# KiCad board coils_12_35_10_2_layer.kicad_pcb (continued)
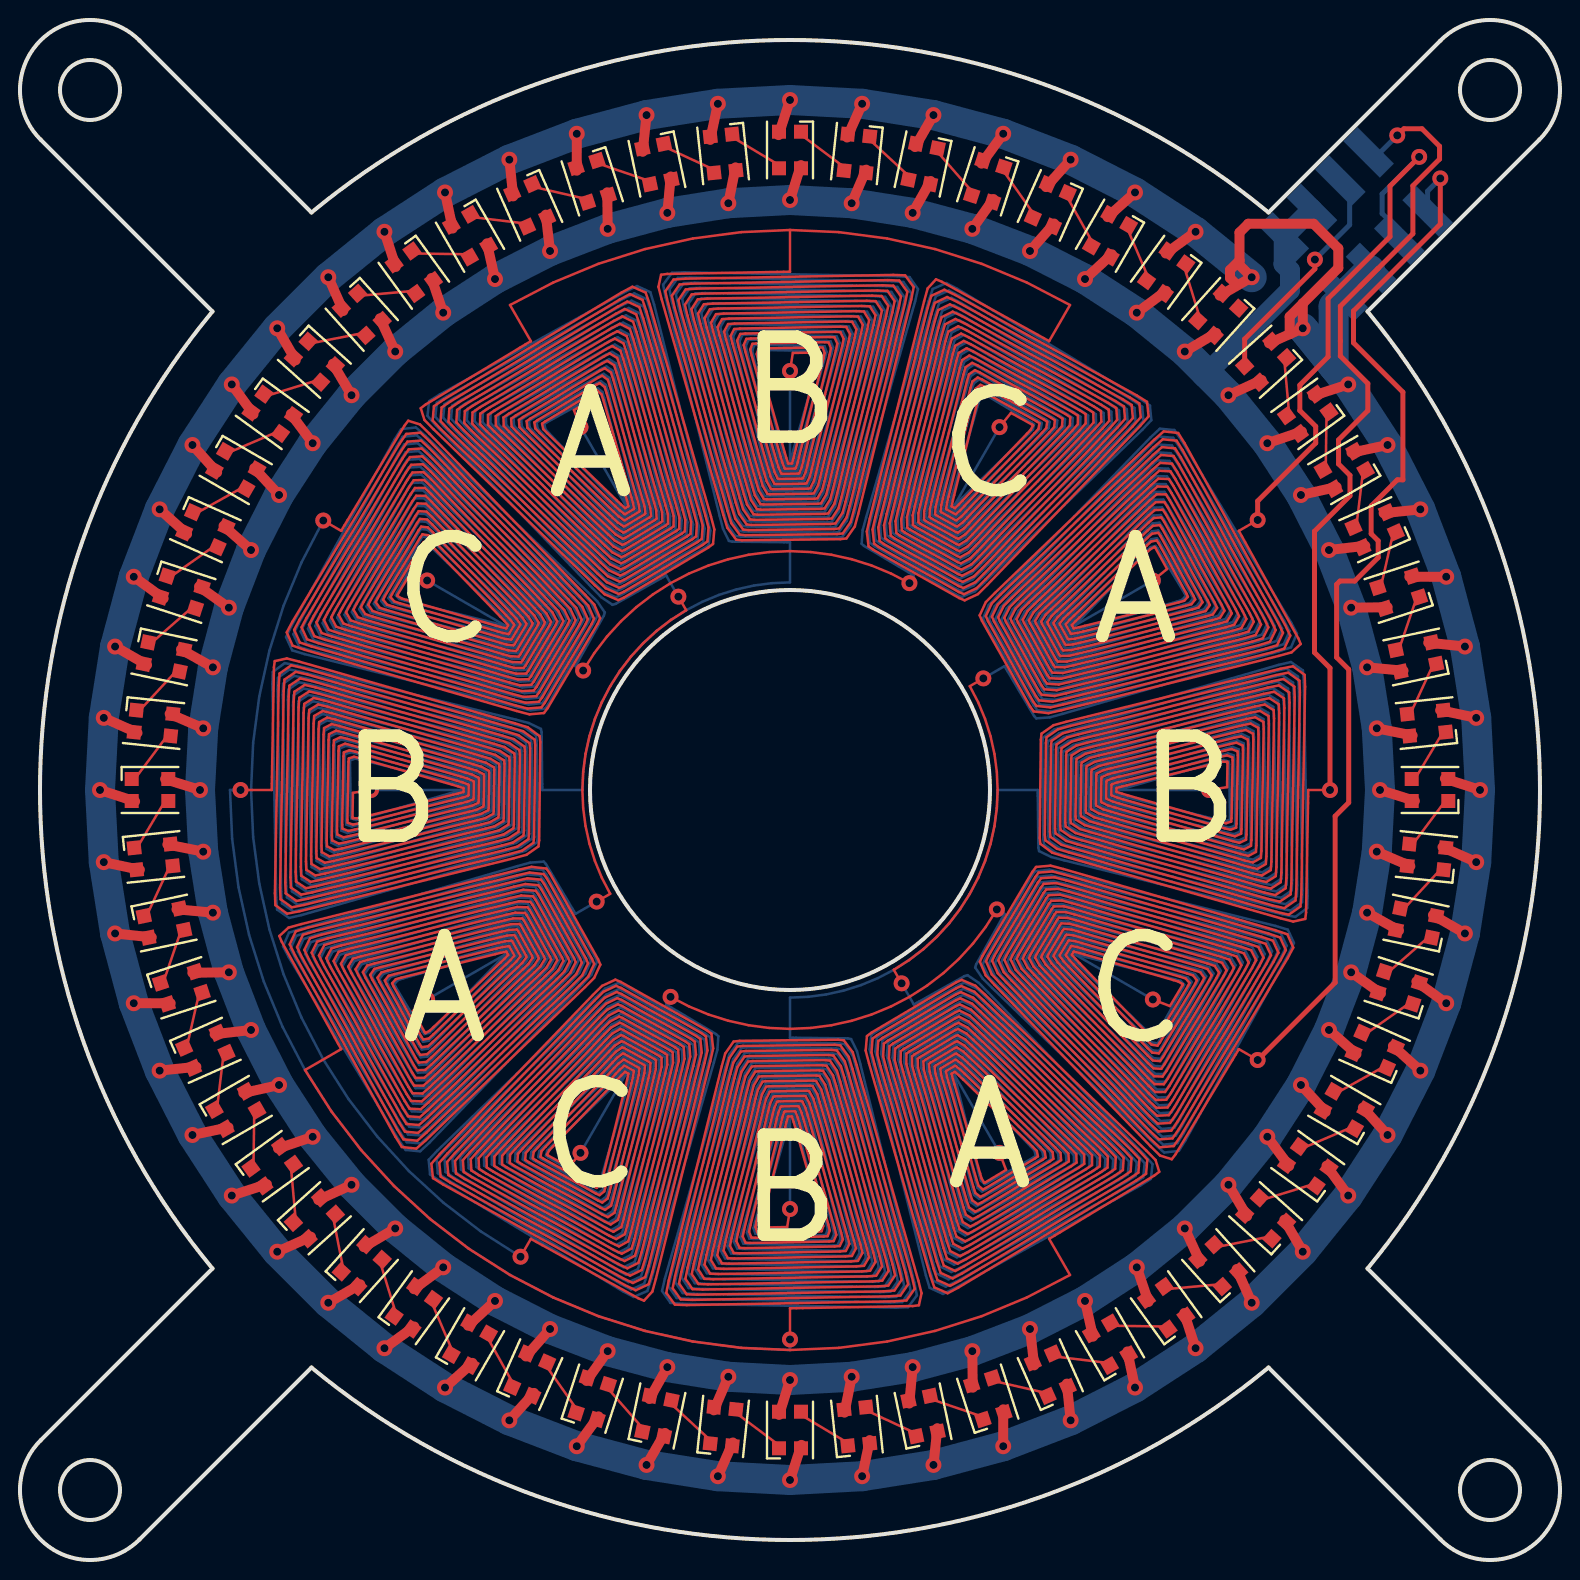
[diagram p0: board, top side]
## Routing (per net, layer and track width the routed paths; a pad name or vN(x,y) marks a point on that pad's centre or on a via; arc(x,y) is an arc through that point) (continued)
50.8,46.83 51.81,45.02 51.89,44.92 52.35,44.92 52.77,45.02 59.94,46.81 60.35,46.93 60.59,47.33 60.44,47.65 57.49,52.98 57.3,53.28 56.83,53.28 56.49,52.99 51,47.7 50.68,47.39 50.44,46.98 50.5,46.84 51.67,44.76 51.76,44.64 52.24,44.63 52.69,44.74 60.28,46.63 60.71,46.76 60.95,47.19 60.79,47.54 57.58,53.34 57.37,53.66 56.87,53.68 56.52,53.37 50.72,47.79 50.39,47.45 50.14,47.01 50.2,46.85 51.52,44.5 51.62,44.37 52.14,44.35 52.61,44.46 60.61,46.46 61.07,46.59 61.32,47.05 61.14,47.43 57.67,53.7 57.45,54.05 56.92,54.07 56.55,53.74 50.44,47.87 50.09,47.51 49.83,47.04 49.9,46.87 51.38,44.24 51.49,44.09 52.04,44.06 52.54,44.18 60.94,46.28 61.43,46.42 61.69,46.91 61.49,47.31 57.76,54.06 57.52,54.43 56.96,54.46 56.57,54.12 50.16,47.95 49.79,47.58 49.52,47.07 49.6,46.88 51.23,43.98 51.35,43.81 51.94,43.77 52.46,43.89 61.28,46.1 61.78,46.25 62.05,46.77 61.84,47.2 57.86,54.41 57.6,54.82 57.01,54.86 56.6,54.5 49.88,48.03 49.49,47.64 49.21,47.1 49.3,46.9 51.09,43.72 51.22,43.54 51.83,43.49 52.38,43.61 61.61,45.92 62.14,46.08 62.42,46.64 62.2,47.09 57.95,54.77 57.68,55.2 57.05,55.25 56.63,54.88 49.6,48.11 49.19,47.7 48.91,47.14 49,46.91 50.94,43.45 51.09,43.26 51.73,43.2 52.3,43.33 61.95,45.74 62.5,45.91 62.78,46.5 62.55,46.98 58.04,55.13 57.75,55.58 57.1,55.64 56.65,55.25 49.31,48.19 48.89,47.77 48.6,47.17 48.7,46.93 50.8,43.19 50.95,42.98 51.63,42.91 52.22,43.05 62.28,45.56 62.85,45.74 63.15,46.36 62.9,46.87 58.13,55.48 57.83,55.97 57.14,56.04 56.68,55.63 49.03,48.27 48.59,47.83 48.29,47.2 48.4,46.94 50.65,42.93 50.82,42.71 51.52,42.63 52.15,42.77 62.61,45.39 63.21,45.57 63.51,46.22 63.25,46.76 58.23,55.84 57.91,56.35 57.19,56.43 56.7,56.01 48.75,48.36 48.29,47.89 47.98,47.23 48.1,46.96 50.51,42.67 50.68,42.43 51.42,42.34 52.07,42.49 62.95,45.21 63.58,45.38 64.03,45.8 63.91,46.09 60.94,51.46 v1(61.88,52) ; v1(48.17,44.08) 47.49,43.69 47.91,42.89 48.25,42.05 48.53,41.19 48.72,40.3 48.84,39.4 48.88,38.5 48.84,37.6 48.72,36.7 48.53,35.81 48.25,34.95 47.91,34.11 47.49,33.31 47,32.55 46.45,31.83 45.84,31.16 45.17,30.55 44.45,30 43.69,29.51 v1(44.08,28.83) ; v1(11.03,38.5) 12.59,38.5 12.7,44.63 12.74,44.94 13.34,45.08 13.97,44.91 24.76,41.83 25.39,41.63 25.98,41.19 26.01,40.89 25.96,35.98 25.92,35.68 25.32,35.26 24.69,35.09 13.98,32.44 13.35,32.31 12.77,32.74 12.75,33.34 12.93,43.72 12.98,44.32 13.56,44.73 14.17,44.59 24.55,41.63 25.16,41.44 25.73,41.02 25.76,40.74 25.71,36.14 25.67,35.86 25.1,35.46 24.49,35.3 14.19,32.75 13.59,32.63 13.03,33.04 13.01,33.61 13.18,43.45 13.23,44.02 13.79,44.41 14.37,44.27 24.34,41.42 24.92,41.24 25.48,40.84 25.5,40.58 25.45,36.3 25.42,36.04 24.87,35.67 24.29,35.51 14.4,33.07 13.82,32.95 13.28,33.33 13.26,33.87 13.43,43.18 13.47,43.72 14.01,44.08 14.57,43.95 24.13,41.22 24.69,41.04 25.22,40.67 25.25,40.43 25.2,36.46 25.17,36.22 24.64,35.87 24.09,35.72 14.61,33.38 14.06,33.27 13.54,33.63 13.52,34.13 13.68,42.91 13.72,43.41 14.24,43.76 14.77,43.63 23.92,41.01 24.46,40.85 24.97,40.5 24.99,40.28 24.95,36.63 24.92,36.4 24.41,36.08 23.88,35.93 14.83,33.69 14.3,33.59 13.8,33.92 13.78,34.4 13.93,42.63 13.97,43.11 14.46,43.43 14.97,43.31 23.72,40.81 24.23,40.65 24.71,40.33 24.74,40.12 24.7,36.79 24.67,36.59 24.19,36.28 23.68,36.15 15.04,34.01 14.53,33.91 14.06,34.21 14.04,34.66 14.18,42.36 14.21,42.81 14.68,43.1 15.17,42.99 23.51,40.6 24,40.45 24.46,40.15 24.48,39.97 24.45,36.95 24.42,36.77 23.96,36.49 23.48,36.36 15.25,34.32 14.77,34.22 14.32,34.51 14.3,34.92 14.43,42.09 14.46,42.5 14.91,42.78 15.37,42.66 23.3,40.4 23.76,40.26 24.2,39.98 24.22,39.82 24.19,37.11 24.17,36.95 23.73,36.69 23.27,36.57 15.46,34.64 15,34.54 14.57,34.8 14.56,35.19 14.68,41.82 14.71,42.2 15.13,42.45 15.57,42.34 23.09,40.19 23.53,40.06 23.95,39.81 23.97,39.66 23.94,37.28 23.92,37.13 23.5,36.9 23.07,36.78 15.67,34.95 15.24,34.86 14.83,35.1 14.82,35.45 14.93,41.55 14.96,41.9 15.36,42.12 15.77,42.02 22.88,39.99 23.3,39.86 23.69,39.64 23.71,39.51 23.69,37.44 23.67,37.31 23.28,37.1 22.87,36.99 15.88,35.26 15.47,35.18 15.09,35.39 15.08,35.71 15.18,41.27 15.2,41.59 15.58,41.8 15.97,41.7 22.67,39.78 23.07,39.67 23.44,39.46 23.46,39.35 23.44,37.6 23.42,37.49 23.05,37.3 22.66,37.2 16.09,35.58 15.71,35.5 15.35,35.69 15.33,35.98 15.43,41 15.45,41.29 15.8,41.47 16.17,41.38 22.47,39.58 22.83,39.47 23.18,39.29 23.2,39.2 23.18,37.76 23.16,37.67 22.82,37.51 22.46,37.41 16.31,35.89 15.94,35.82 15.61,35.98 15.59,36.24 15.67,40.73 15.7,40.99 16.03,41.14 16.37,41.06 22.26,39.38 22.6,39.27 22.93,39.12 22.95,39.05 22.93,37.92 22.91,37.85 22.59,37.71 22.26,37.63 16.52,36.2 16.18,36.13 15.87,36.27 15.85,36.5 15.92,40.46 15.94,40.68 16.25,40.82 16.57,40.74 22.05,39.17 22.37,39.08 22.67,38.94 22.69,38.89 22.68,38.09 22.66,38.03 22.37,37.92 22.05,37.84 16.73,36.52 16.42,36.45 16.12,36.57 16.11,36.77 16.17,40.18 16.19,40.38 16.48,40.49 16.77,40.42 21.84,38.97 22.14,38.88 22.42,38.77 22.43,38.74 22.43,38.25 22.41,38.22 22.14,38.12 21.85,38.05 16.94,36.83 16.65,36.77 16.38,36.86 16.37,37.03 16.42,39.91 16.44,40.08 16.7,40.16 16.97,40.09 21.63,38.76 21.91,38.68 22.16,38.6 22.18,38.59 22.18,38.41 22.16,38.4 21.91,38.33 21.65,38.26 17.15,37.15 16.89,37.09 16.64,37.09 16.63,37.16 16.65,38.36 v1(17.55,38.5) ; v1(20.36,28.03) 19.65,27.45 20.23,26.4 20.27,26.35 20.49,26.47 20.69,26.65 24.03,29.87 24.22,30.06 24.4,30.24 24.41,30.26 24.32,30.41 24.3,30.42 24.04,30.36 23.76,30.29 19.06,29.12 18.79,29.04 18.61,28.84 18.67,28.68 20.07,26.16 20.16,26.02 20.44,26.08 20.66,26.28 24.31,29.78 24.52,29.99 24.71,30.21 24.71,30.25 24.47,30.67 24.44,30.69 24.14,30.65 23.84,30.57 18.73,29.3 18.43,29.21 18.24,28.97 18.32,28.79 19.98,25.8 20.09,25.64 20.4,25.68 20.64,25.9 24.59,29.7 24.82,29.93 25.02,30.18 25.01,30.23 24.61,30.93 24.57,30.97 24.24,30.93 23.92,30.86 18.39,29.47 18.08,29.38 17.87,29.11 17.97,28.91 19.88,25.45 20.01,25.26 20.35,25.29 20.61,25.52 24.87,29.62 25.12,29.87 25.33,30.15 25.31,30.22 24.76,31.2 24.71,31.25 24.35,31.22 24,31.14 18.06,29.65 17.72,29.55 17.51,29.25 17.62,29.02 19.79,25.09 19.93,24.87 20.31,24.9 20.58,25.14 25.15,29.54 25.42,29.8 25.63,30.12 25.61,30.2 24.9,31.46 24.84,31.53 24.45,31.51 24.07,31.42 17.73,29.83 17.36,29.72 17.14,29.39 17.27,29.13 19.7,24.73 19.86,24.49 20.26,24.5 20.56,24.77 25.43,29.46 25.72,29.74 25.94,30.08 25.9,30.19 25.05,31.72 24.97,31.8 24.55,31.79 24.15,31.7 17.39,30.01 17,29.89 16.78,29.53 16.91,29.24 19.61,24.37 19.78,24.1 20.22,24.11 20.53,24.39 25.72,29.38 26.02,29.68 26.25,30.05 26.2,30.17 25.19,31.98 25.11,32.08 24.65,32.08 24.23,31.98 17.06,30.19 16.65,30.07 16.41,29.67 16.56,29.35 19.51,24.02 19.7,23.72 20.17,23.72 20.51,24.01 26,29.3 26.32,29.61 26.56,30.02 26.5,30.16 25.33,32.24 25.24,32.36 24.76,32.37 24.31,32.26 16.72,30.37 16.29,30.24 16.05,29.81 16.21,29.46 19.42,23.66 19.63,23.34 20.13,23.32 20.48,23.63 26.28,29.21 26.61,29.55 26.86,29.99 26.8,30.15 25.48,32.5 25.38,32.63 24.86,32.65 24.39,32.54 16.39,30.54 15.93,30.41 15.68,29.95 15.86,29.57 19.33,23.3 19.55,22.95 20.08,22.93 20.45,23.26 26.56,29.13 26.91,29.49 27.17,29.96 27.1,30.13 25.62,32.76 25.51,32.91 24.96,32.94 24.46,32.82 16.06,30.72 15.57,30.58 15.31,30.09 15.51,29.69 19.24,22.94 19.48,22.57 20.04,22.54 20.43,22.88 26.84,29.05 27.21,29.42 27.48,29.93 27.4,30.12 25.77,33.02 25.65,33.19 25.06,33.23 24.54,33.11 15.72,30.9 15.22,30.75 14.95,30.23 15.16,29.8 19.14,22.59 19.4,22.18 19.99,22.14 20.4,22.5 27.12,28.97 27.51,29.36 27.79,29.9 27.7,30.1 25.91,33.28 25.78,33.46 25.17,33.51 24.62,33.39 15.39,31.08 14.86,30.92 14.58,30.36 14.8,29.91 19.05,22.23 19.32,21.8 19.95,21.75 20.37,22.12 27.4,28.89 27.81,29.3 28.09,29.86 28,30.09 26.06,33.55 25.91,33.74 25.27,33.8 24.7,33.67 15.05,31.26 14.5,31.09 14.22,30.5 14.45,30.02 18.96,21.87 19.25,21.42 19.9,21.36 20.35,21.75 27.69,28.81 28.11,29.23 28.4,29.83 28.3,30.07 26.2,33.81 26.05,34.02 25.37,34.09 24.78,33.95 14.72,31.44 14.15,31.26 13.85,30.64 14.1,30.13 18.87,21.52 19.17,21.03 19.86,20.96 20.32,21.37 27.97,28.73 28.41,29.17 28.71,29.8 28.6,30.06 26.35,34.07 26.18,34.29 25.48,34.37 24.85,34.23 14.39,31.61 13.79,31.43 13.49,30.78 13.75,30.24 18.77,21.16 19.09,20.65 19.81,20.57 20.3,20.99 28.25,28.64 28.71,29.11 29.02,29.77 28.9,30.04 26.49,34.33 26.32,34.57 25.58,34.66 24.93,34.51 14.05,31.79 13.42,31.62 12.97,31.2 13.09,30.91 16.06,25.54 14.25,24.5 15.56,22.44 17.05,20.5 18.7,18.7 20.5,17.05 22.44,15.56 24.5,14.25 26.67,13.12 28.92,12.19 31.25,11.45 33.64,10.93 36.06,10.61 38.5,10.5 40.94,10.61 43.36,10.93 45.75,11.45 48.08,12.19 50.33,13.12 52.5,14.25 51.46,16.06 56.71,19.22 56.96,19.41 56.78,20 56.32,20.47 48.26,28.26 47.77,28.71 47.09,29.01 46.81,28.88 42.59,26.38 42.35,26.2 42.28,25.47 42.45,24.84 45.51,14.23 45.72,13.63 46.38,13.34 46.91,13.62 55.81,18.97 56.3,19.31 56.37,20.02 55.94,20.48 48.18,27.98 47.72,28.41 47.06,28.7 46.81,28.58 42.85,26.24 42.63,26.07 42.57,25.37 42.73,24.77 45.68,14.57 45.87,13.99 46.51,13.71 47.01,13.97 55.45,19.05 55.92,19.37 55.97,20.05 55.56,20.49 48.11,27.7 47.66,28.11 47.04,28.39 46.8,28.29 43.12,26.1 42.91,25.94 42.86,25.28 43.02,24.7 45.84,14.91 46.03,14.36 46.63,14.08 47.11,14.33 55.09,19.13 55.53,19.43 55.58,20.08 55.18,20.5 48.04,27.41 47.61,27.81 47.02,28.09 46.8,27.99 43.39,25.97 43.19,25.82 43.15,25.18 43.3,24.63 46.01,15.25 46.19,14.72 46.76,14.45 47.21,14.69 54.73,19.21 55.15,19.5 55.18,20.12 54.8,20.52 47.96,27.13 47.55,27.51 47,27.78 46.79,27.69 43.65,25.83 43.48,25.69 43.45,25.09 43.59,24.56 46.17,15.59 46.35,15.08 46.88,14.82 47.31,15.04 54.37,19.29 54.76,19.56 54.79,20.15 54.43,20.53 47.89,26.85 47.5,27.21 46.98,27.47 46.79,27.39 43.92,25.69 43.76,25.56 43.74,24.99 43.87,24.49 46.34,15.93 46.51,15.45 47.01,15.19 47.4,15.4 54,19.37 54.37,19.62 54.39,20.18 54.05,20.54 47.82,26.57 47.44,26.92 46.95,27.16 46.78,27.09 44.19,25.55 44.04,25.44 44.03,24.9 44.16,24.42 46.51,16.27 46.66,15.81 47.14,15.56 47.5,15.75 53.64,19.45 53.99,19.68 54,20.21 53.67,20.55 47.74,26.28 47.39,26.62 46.93,26.86 46.78,26.79 44.45,25.42 44.32,25.31 44.32,24.81 44.44,24.35 46.67,16.61 46.82,16.17 47.26,15.93 47.6,16.11 53.28,19.53 53.6,19.75 53.6,20.24 53.29,20.57 47.67,26 47.34,26.32 46.91,26.55 46.77,26.5 44.72,25.28 44.6,25.18 44.61,24.71 44.73,24.28 46.84,16.95 46.98,16.53 47.39,16.3 47.7,16.46 52.92,19.61 53.21,19.81 53.21,20.27 52.91,20.58 47.6,25.72 47.28,26.02 46.89,26.24 46.77,26.2 44.99,25.14 44.89,25.06 44.9,24.62 45.01,24.21 47.01,17.29 47.14,16.9 47.51,16.67 47.8,16.82 52.56,19.69 52.83,19.87 52.81,20.3 52.53,20.59 47.53,25.44 47.23,25.72 46.87,25.94 46.76,25.9 45.25,25 45.17,24.93 45.19,24.52 45.29,24.14 47.17,17.63 47.3,17.26 47.64,17.04 47.9,17.18 52.2,19.77 52.44,19.93 52.42,20.33 52.16,20.6 47.45,25.15 47.17,25.42 46.84,25.63 46.76,25.6 45.52,24.87 45.45,24.81 45.48,24.43 45.58,24.07 47.34,17.97 47.45,17.62 47.76,17.41 48,17.53 51.84,19.85 52.06,20 52.02,20.36 51.78,20.62 47.38,24.87 47.12,25.12 46.82,25.32 46.75,25.3 45.79,24.73 45.73,24.68 45.77,24.33 45.86,24 47.5,18.31 47.61,17.99 47.89,17.78 48.09,17.89 51.48,19.93 51.67,20.06 51.63,20.39 51.4,20.63 47.31,24.59 47.06,24.82 46.8,25.02 46.75,25 46.05,24.59 46.02,24.55 46.06,24.24 46.15,23.93 47.67,18.65 47.77,18.35 48.02,18.16 48.19,18.24 51.12,20.01 51.28,20.12 51.23,20.42 51.02,20.64 47.23,24.31 47.01,24.52 46.78,24.71 46.74,24.71 46.32,24.46 46.3,24.43 46.35,24.14 46.43,23.86 47.84,18.99 47.93,18.71 48.14,18.53 48.29,18.6 50.76,20.09 50.9,20.18 50.84,20.45 50.64,20.66 47.16,24.02 46.96,24.22 46.75,24.4 46.73,24.41 46.58,24.32 46.58,24.3 46.64,24.05 46.72,23.79 48,19.33 48.08,19.08 48.21,18.86 48.27,18.88 49.3,19.5 v1(48.98,20.36) ; v1(15.16,51.97) 16.06,51.46 19.22,56.71 19.41,56.96 20,56.78 20.47,56.32 28.26,48.26 28.71,47.77 29.01,47.09 28.88,46.81 26.38,42.59 26.2,42.35 25.47,42.28 24.84,42.45 14.23,45.51 13.63,45.72 13.34,46.38 13.62,46.91 18.97,55.81 19.31,56.3 20.02,56.37 20.48,55.94 27.98,48.18 28.41,47.72 28.7,47.06 28.58,46.81 26.24,42.85 26.07,42.63 25.37,42.57 24.77,42.73 14.57,45.68 13.99,45.87 13.71,46.51 13.97,47.01 19.05,55.45 19.37,55.92 20.05,55.97 20.49,55.56 27.7,48.11 28.11,47.66 28.39,47.04 28.29,46.8 26.1,43.12 25.94,42.91 25.28,42.86 24.7,43.02 14.91,45.84 14.36,46.03 14.08,46.63 14.33,47.11 19.13,55.09 19.43,55.53 20.08,55.58 20.5,55.18 27.41,48.04 27.81,47.61 28.09,47.02 27.99,46.8 25.97,43.39 25.82,43.19 25.18,43.15 24.63,43.3 15.25,46.01 14.72,46.19 14.45,46.76 14.69,47.21 19.21,54.73 19.5,55.15 20.12,55.18 20.52,54.8 27.13,47.96 27.51,47.55 27.78,47 27.69,46.79 25.83,43.65 25.69,43.48 25.09,43.45 24.56,43.59 15.59,46.17 15.08,46.35 14.82,46.88 15.04,47.31 19.29,54.37 19.56,54.76 20.15,54.79 20.53,54.43 26.85,47.89 27.21,47.5 27.47,46.98 27.39,46.79 25.69,43.92 25.56,43.76 24.99,43.74 24.49,43.87 15.93,46.34 15.45,46.51 15.19,47.01 15.4,47.4 19.37,54 19.62,54.37 20.18,54.39 20.54,54.05 26.57,47.82 26.92,47.44 27.16,46.95 27.09,46.78 25.55,44.19 25.44,44.04 24.9,44.03 24.42,44.16 16.27,46.51 15.81,46.66 15.56,47.14 15.75,47.5 19.45,53.64 19.68,53.99 20.21,54 20.55,53.67 26.28,47.74 26.62,47.39 26.86,46.93 26.79,46.78 25.42,44.45 25.31,44.32 24.81,44.32 24.35,44.44 16.61,46.67 16.17,46.82 15.93,47.26 16.11,47.6 19.53,53.28 19.75,53.6 20.24,53.6 20.57,53.29 26,47.67 26.32,47.34 26.55,46.91 26.5,46.77 25.28,44.72 25.18,44.6 24.71,44.61 24.28,44.73 16.95,46.84 16.53,46.98 16.3,47.39 16.46,47.7 19.61,52.92 19.81,53.21 20.27,53.21 20.58,52.91 25.72,47.6 26.02,47.28 26.24,46.89 26.2,46.77 25.14,44.99 25.06,44.89 24.62,44.9 24.21,45.01 17.29,47.01 16.9,47.14 16.67,47.51 16.82,47.8 19.69,52.56 19.87,52.83 20.3,52.81 20.59,52.53 25.44,47.53 25.72,47.23 25.94,46.87 25.9,46.76 25,45.25 24.93,45.17 24.52,45.19 24.14,45.29 17.63,47.17 17.26,47.3 17.04,47.64 17.18,47.9 19.77,52.2 19.93,52.44 20.33,52.42 20.6,52.16 25.15,47.45 25.42,47.17 25.63,46.84 25.6,46.76 24.87,45.52 24.81,45.45 24.43,45.48 24.07,45.58 17.97,47.34 17.62,47.45 17.41,47.76 17.53,48 19.85,51.84 20,52.06 20.36,52.02 20.62,51.78 24.87,47.38 25.12,47.12 25.32,46.82 25.3,46.75 24.73,45.79 24.68,45.73 24.33,45.77 24,45.86 18.31,47.5 17.99,47.61 17.78,47.89 17.89,48.09 19.93,51.48 20.06,51.67 20.39,51.63 20.63,51.4 24.59,47.31 24.82,47.06 25.02,46.8 25,46.75 24.59,46.05 24.55,46.02 24.24,46.06 23.93,46.15 18.65,47.67 18.35,47.77 18.16,48.02 18.24,48.19 20.01,51.12 20.12,51.28 20.42,51.23 20.64,51.02 24.31,47.23 24.52,47.01 24.71,46.78 24.71,46.74 24.46,46.32 24.43,46.3 24.14,46.35 23.86,46.43 18.99,47.84 18.71,47.93 18.53,48.14 18.6,48.29 20.09,50.76 20.18,50.9 20.45,50.84 20.66,50.64 24.02,47.16 24.22,46.96 24.4,46.75 24.41,46.73 24.32,46.58 24.3,46.58 24.05,46.64 23.79,46.72 19.33,48 19.08,48.08 18.86,48.21 18.88,48.27 19.5,49.3 v1(20.36,48.98) ; v1(59.45,38.5) 60.35,38.64 60.37,39.84 60.36,39.91 60.11,39.91 59.85,39.85 55.35,38.74 55.09,38.67 54.84,38.6 54.82,38.59 54.82,38.41 54.84,38.4 55.09,38.32 55.37,38.24 60.03,36.91 60.3,36.84 60.56,36.92 60.58,37.09 60.63,39.97 60.62,40.14 60.35,40.23 60.06,40.17 55.15,38.95 54.86,38.88 54.59,38.78 54.57,38.75 54.57,38.26 54.58,38.23 54.86,38.12 55.16,38.03 60.23,36.58 60.52,36.51 60.81,36.62 60.83,36.82 60.89,40.23 60.88,40.43 60.58,40.55 60.27,40.48 54.95,39.16 54.63,39.08 54.34,38.97 54.32,38.91 54.31,38.11 54.33,38.06 54.63,37.92 54.95,37.83 60.43,36.26 60.75,36.18 61.06,36.32 61.08,36.54 61.15,40.5 61.13,40.73 60.82,40.87 60.48,40.8 54.74,39.37 54.41,39.29 54.09,39.15 54.07,39.08 54.05,37.95 54.07,37.88 54.4,37.73 54.74,37.62 60.63,35.94 60.97,35.86 61.3,36.01 61.33,36.27 61.41,40.76 61.39,41.02 61.06,41.18 60.69,41.11 54.54,39.59 54.18,39.49 53.84,39.33 53.82,39.24 53.8,37.8 53.82,37.71 54.17,37.53 54.53,37.42 60.83,35.62 61.2,35.53 61.55,35.71 61.57,36 61.67,41.02 61.65,41.31 61.29,41.5 60.91,41.42 54.34,39.8 53.95,39.7 53.58,39.51 53.56,39.4 53.54,37.65 53.56,37.54 53.93,37.33 54.33,37.22 61.03,35.3 61.42,35.2 61.8,35.41 61.82,35.73 61.92,41.29 61.91,41.61 61.53,41.82 61.12,41.74 54.13,40.01 53.72,39.9 53.33,39.69 53.31,39.56 53.29,37.49 53.31,37.36 53.7,37.14 54.12,37.01 61.23,34.98 61.64,34.88 62.04,35.1 62.07,35.45 62.18,41.55 62.17,41.9 61.76,42.14 61.33,42.05 53.93,40.22 53.5,40.1 53.08,39.87 53.06,39.72 53.03,37.34 53.05,37.19 53.47,36.94 53.91,36.81 61.43,34.66 61.87,34.55 62.29,34.8 62.32,35.18 62.44,41.81 62.43,42.2 62,42.46 61.54,42.36 53.73,40.43 53.27,40.31 52.83,40.05 52.81,39.89 52.78,37.18 52.8,37.02 53.24,36.74 53.7,36.6 61.63,34.34 62.09,34.22 62.54,34.5 62.57,34.91 62.7,42.08 62.68,42.49 62.23,42.78 61.75,42.68 53.52,40.64 53.04,40.51 52.58,40.23 52.55,40.05 52.52,37.03 52.54,36.85 53,36.55 53.49,36.4 61.83,34.01 62.32,33.9 62.79,34.19 62.82,34.64 62.96,42.34 62.94,42.79 62.47,43.09 61.96,42.99 53.32,40.85 52.81,40.72 52.33,40.41 52.3,40.21 52.26,36.88 52.29,36.67 52.77,36.35 53.28,36.19 62.03,33.69 62.54,33.57 63.03,33.89 63.07,34.37 63.22,42.6 63.2,43.08 62.7,43.41 62.17,43.31 53.12,41.07 52.59,40.92 52.08,40.6 52.05,40.37 52.01,36.72 52.03,36.5 52.54,36.15 53.08,35.99 62.23,33.37 62.76,33.24 63.28,33.59 63.32,34.09 63.48,42.87 63.46,43.37 62.94,43.73 62.39,43.62 52.91,41.28 52.36,41.13 51.83,40.78 51.8,40.54 51.75,36.57 51.78,36.33 52.31,35.96 52.87,35.78 62.43,33.05 62.99,32.92 63.53,33.28 63.57,33.82 63.74,43.13 63.72,43.67 63.18,44.05 62.6,43.93 52.71,41.49 52.13,41.33 51.58,40.96 51.55,40.7 51.5,36.42 51.52,36.16 52.08,35.76 52.66,35.58 62.63,32.73 63.21,32.59 63.77,32.98 63.82,33.55 63.99,43.39 63.97,43.96 63.41,44.37 62.81,44.25 52.51,41.7 51.9,41.54 51.33,41.14 51.29,40.86 51.24,36.26 51.27,35.98 51.84,35.56 52.45,35.37 62.83,32.41 63.44,32.27 64.02,32.68 64.07,33.28 64.25,43.66 64.23,44.26 63.65,44.69 63.02,44.56 52.31,41.91 51.68,41.74 51.08,41.32 51.04,41.02 50.99,36.11 51.02,35.81 51.61,35.37 52.24,35.17 63.03,32.09 63.66,31.92 64.26,32.06 64.3,32.37 64.41,38.5 v1(65.5,38.5) ; v1(44.47,48.84) 43.55,49.32 42.58,49.72 41.59,50.04 40.57,50.26 39.54,50.4 38.5,50.44 37.46,50.4 36.43,50.26 35.41,50.04 34.42,49.72 33.45,49.32 32.53,48.84 31.65,48.28 30.82,47.65 30.06,46.94 29.35,46.18 28.72,45.35 v1(28.16,44.47) ; v1(32.53,28.16) 33.45,27.68 34.42,27.28 35.41,26.96 36.43,26.74 37.46,26.6 38.5,26.56 39.54,26.6 40.57,26.74 41.59,26.96 42.58,27.28 43.55,27.68 44.47,28.16 45.35,28.72 46.18,29.35 46.94,30.06 47.65,30.82 48.28,31.65 v1(48.84,32.53)